# Altium PCB CM_PCB.PcbDoc (part 2 of 7) (continued)
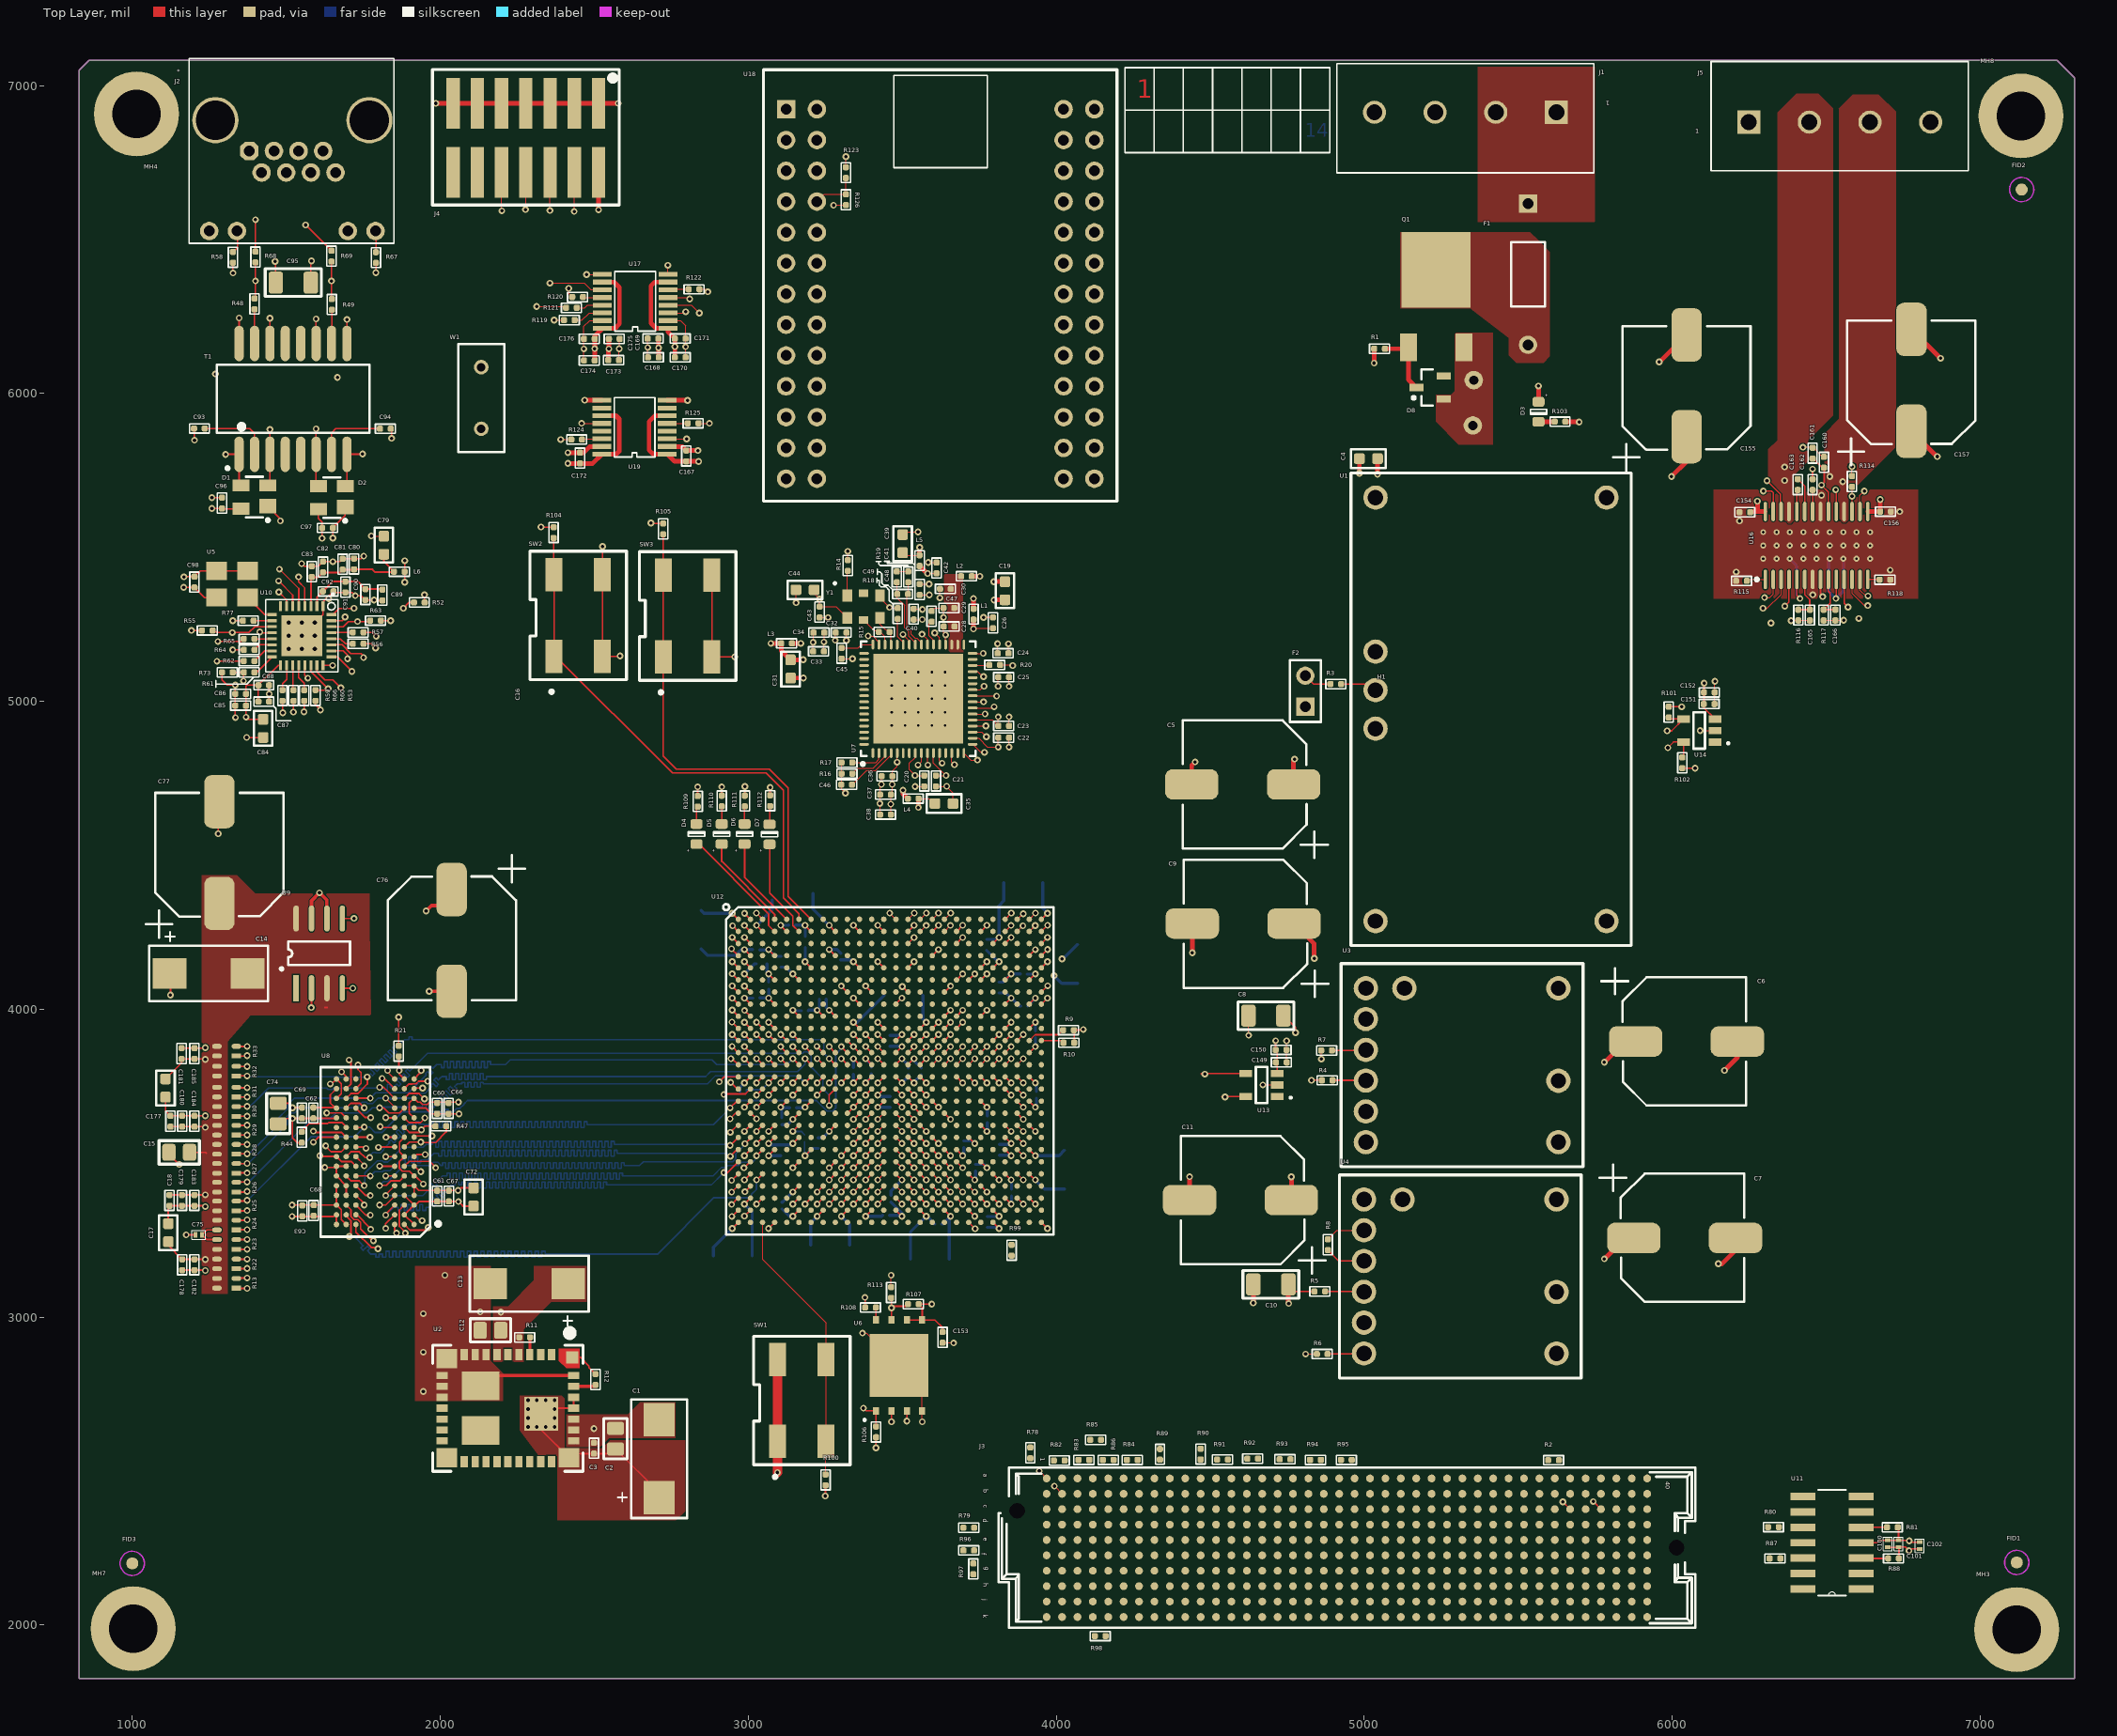
[diagram p0: Top Layer view]
## Nets (pads, with @x,y where several pads share a name; then routed paths per layer and width w, separated by ;. In a path a pad name is that pad's centre, name@x,y a point inside that pad or via, vN(x,y) a via of type N, cw(c..) or ccw(c..) an arc to the next point about the centre after c; other vN are vias at no path point) (continued)
  Top Layer w5: v1(3250,2419) 3251,2418 R100.2@3251,2453.5 ; v1(3415,2575) R106.2@3415,2609.5 ; v1(3515,2662) U6.3@3515,2695.36 ; U6.7@3515,2990.64 U6.8@3565,2990.64 ; v1(3596,3042) R107.2@3553.5,3042 3565,3030.5 U6.8@3565,2990.64 ; C153.2@3631,2951.5 3631,2966 3606.36,2990.64 U6.8@3565,2990.64 ; R10.2@4058.5,3891 4058.5,3931 R9.2@4057.5,3932 4086,3932 v1(4088,3934) ; v1(4712.5,3897.5) C150.2@4712.5,3868 4718.18,3862.32 U13.3@4718.18,3791.4 ; v1@4754,3045 v1(4755,3044) ; C10.2@4754,3106 4777,3083 R5.1@4838.5,3083 ; R101.2@5989,4982.5 6030.5,4982.5 v1(6031,4982) ; R102.2@6033,4782.5 v1(6074.5,4782.5) ; v1(6104,5059) 6103.5,5058.5 6103.5,4978.08 U14.3@6139.18,4942.4 ; U16.5@6405.02,5395.76 6405.02,5343.98 v1(6415,5334) ; C161.2@6456,5790.5 6489,5757.5 6494,5757.5 6494,5711 v1(6485,5702) 6507.39,5679.61 U16.20@6507.39,5616.24 ; U16.8@6481.8,5395.76 6481.8,5347.2 v1(6489,5340) ; v1(6532,5334) 6532.98,5334.98 U16.10@6532.98,5395.76 ; U11.4@6614,2267 6666,2267 6674,2275 C100.2@6700,2275 C101.2@6735,2275 ; R81.2@6732.5,2317 6735,2314.5 C101.2@6735,2275 ; v1(6770,2273) 6768,2275 C101.2@6735,2275 ; v1@6774,2269 C102.2@6804,2269
  Top Layer w10: U2.30@2433.3,2597.79 U2.30@2439.59,2591.5
  Top Layer w11: U9.7@1582,4294.38 1582,4352 v2(1608,4378) 1632,4354 U9.6@1632,4294.38 ; v2(1954,4319) 1971.43,4336.43 2006.28,4336.43 2006.28,4371.28 2023.71,4388.71 C76.1@2037,4388.71
  Top Layer w15: v1(2414.5,5772.5) C172.2@2454,5772.5 2494.7,5772.5 U19.16@2524.7,5802.5 2571.5,5802.5 2581,5812 2581,5917 2570.5,5927.5 U19.11@2524.7,5927.5 ; U2.31@2433.3,2633.22 2437.52,2629 U2.31@2441.52,2633 ; C174.2@2501.5,6107 v1(2501.5,6145.5) C176.2@2501.5,6177 ; C176.2@2501.5,6186.3 U17.16@2526.7,6211.5 2567.5,6211.5 2582,6226 2582,6344 2564.5,6361.5 U17.10@2526.7,6361.5 ; v1(2514,6596) 2514.22,6596.22 J4.B01@2514.22,6717.8 ; C173.2@2545.5,6108 2545.5,6142.5 v1(2547.5,6144.5) C175.2@2547.5,6177 ; v1(3073.5,5188) L3.2@3107,5188 3107,5165 C31.2@3137.5,5134.5 3178,5134.5 v1(3178.5,5135) ; v1(3552.5,4655) 3553,4655.5 L4.2@3553,4684 ; L5.2@3556.5,5474.5 v1(3556.5,5500) ; L2.2@3726,5406 v1(3752.5,5406) ; L1.2@3731.5,5300.5 v1(3731.5,5334) ; v1(3798.5,5329) 3799,5329.5 C19.2@3833.5,5329.5 ; v1@4754,3045 C10.2@4754,3106 ; C11.1@4763.71,3380 v1(4763.71,3455.29)
  Bottom Layer w5: 6404,5390.5 6404,5345 v1(6415,5334)
  Bottom Layer w10: C130.2@2847,4195.01 2867.01,4175 2958,4175 2976.5,4193.5 v1(2987.5,4193.5) C104.2@3013.5,4193.5 ; v1(2987.5,4036.02) C103.2@3015.02,4036.02 ; v1(3026.87,4272.24) 3078.01,4323.37 C107.2@3078.01,4354 ; C129.2@3060.5,4147 3060.5,4120.5 v1(3066.24,4114.76) C127.2@3066.24,4087.76 ; C144.2@3107,4136.5 3123.24,4136.5 v1(3144.98,4114.76) ; C138.2@3109,3625 3127.67,3625 v1(3144.98,3642.31) ; v1(3144.98,3996.65) 3146.63,3995 C140.2@3173,3995 ; C105.2@3153,4273 v1@3183.59,4273 ; v1(3184.35,4272.24) 3185,4271.59 C106.2@3185,4235.5 ; C147.2@3203.01,3234 3203.01,3306.64 v1(3223.72,3327.35) ; C146.2@3227,3582.5 3242.65,3582.5 v1(3263.09,3602.94) ; C128.2@3253,4032 3253,4006.74 v1(3263.09,3996.65) ; v1(3263.09,4193.5) 3288.5,4193.5 C143.2@3300,4182 ; v1(3381.2,3327.35) 3433.35,3327.35 C114.2@3436,3330 ; C115.2@3464,3395 3464,3410.15 v1(3499.32,3445.46) ; C117.2@3527.01,3188 3527.01,3276.31 v1(3578.06,3327.35) 3580.65,3327.35 C113.2@3606,3302 ; v1(3696.17,3524.2) 3700,3528.04 C139.2@3700,3550 ; C142.2@3738,3496 3763.74,3496 v1(3774.91,3484.83) ; C125.2@3774,4226.5 3807.91,4226.5 v1(3814.28,4232.87) 3814.28,4336.28 3830.01,4352.01 C148.2@3830.01,4411 ; C116.2@3776,3291.5 3810.76,3291.5 v1(3814.28,3287.98) ; C145.2@3814,4087.5 3826.39,4087.5 v1(3853.65,4114.76) C141.2@3883.24,4114.76 ; C123.2@3907,4010 3932.39,4035.39 v1(3932.39,4036.02) ; v1@3933,3879.15 C124.2@3933,3907 ; v1(4019,4163) 4022.01,4163 C126.2@4069,4209.99 ; C159.2@6509,5378.5 6509,5357 v1(6532,5334) 6557,5359 C158.2@6557,5380.5
  other v2: 2499,2638
3V3_A_PHY: C79.2 C80.2 C81.2 C82.2 C83.2 L6.1 U10.3 | length 442.4
  Top Layer w6: U10.3@1579.97,5309.25 C83.2@1579.97,5400.47 ; C83.2@1583,5403.5 1604,5403.5 C82.2@1619,5418.5 1674,5418.5 C81.2@1683,5427.5 1719,5427.5 C80.2@1720,5428.5 1780,5428.5 1789,5419.5 1848,5419.5 L6.1@1849.5,5421 1817,5453.5 C79.2@1817,5477.5
12V0: C5.1 C6.1 C7.1 F2.1 J3.c35 J3.c37 U1.5 U1.6 U3.2 U3.9 U4.2 | length 405.2
  Top Layer w5: v1(5645,2400) J3.c35@5669,2376 ; v1(5744,2401) J3.c37@5769,2376
  Top Layer w15: C5.1@4770.71,4730 4770.71,4808.71 v1(4774,4812) ; v1(5780,3189) 5848,3257 C7.1@5875.29,3257 ; v1(5780,3828) 5781,3828 5848,3895 C6.1@5881.29,3895
24V0: C4.2 C154.2 C155.1 C156.2 C157.1 C162.2 D3.A D8.3 pad.2 pad.3 Q1.S U1.2 U16.15 U16.28 | length 562.7
  Top Layer w5: C162.2@6456,5721.5 v1(6456,5754)
  Top Layer w15: v1(5043.5,5737.5) C4.2@5043.5,5788 ; D3.A@5566,5972.48 v1(5566,6024) ; v1(5998,5730) 6047,5779 C155.1@6047,5859.29 ; C154.2@6255.74,5616.24 6278,5616.24 ; v1(6277,5650) 6278,5649 6278,5616.24 ; U16.28@6302.66,5616.24 6278,5616.24 ; U16.15@6635.34,5616.24 C156.2@6675.26,5616.24 ; C156.2@6675.5,5616 v1(6675.5,5655.5) ; C157.1@6777,5877.29 6859.29,5795 v1(6861,5795)
\DDR_CAS: R22.2 U8.K3 U12.P8 | length 2545.1
  Top Layer w4: v1(3223.72,3760.42) U12.P8@3243.41,3780.11
  Top Layer w5.5: v2@1831,3584.24 U8.K3@1851.99,3584.24
  Top Layer w6: R22.2@1341.5,3188 v2(1373,3188)
  DIFF_SE1 w6: v2(1373,3188) 1408,3188 1632.46,3412.46 1632.46,3468 1730.46,3566 1786.9,3566 1804.9,3584 v2(1824,3584) 1883,3584 1916.36,3550.64 1951.64,3550.64 1967,3566 1996,3566 2002,3566 2002,3575.9 2014,3575.9 2014,3566 2014,3556.1 2026,3556.1 2026,3566 2026,3575.9 2038,3575.9 2038,3566 2038,3556.1 2050,3556.1 2050,3566 2050,3575.9 2062,3575.9 2062,3566 2062,3556.1 2074,3556.1 2074,3566 2074,3575.9 2086,3575.9 2086,3566 2086,3556.1 2098,3556.1 2098,3566 2098,3575.9 2110,3575.9 2110,3566 2110,3556.1 2122,3556.1 2122,3566 2122,3575.9 2134,3575.9 2134,3566 2134,3556.1 2146,3556.1 2146,3566 2146,3575.9 2158,3575.9 2158,3566 2158,3556.1 2170,3556.1 2170,3566 2170,3575.9 2182,3575.9 2182,3566 2182,3556.1 2194,3556.1 2194,3566 2243,3566 2775,3566 2911,3702 3165.3,3702 v1(3223.72,3760.42)
\DDR_RAS: R22.1 U8.J3 U12.N8 | length 2615.9
  Top Layer w4: v1(3223.72,3839.17) U12.N8@3243.41,3819.48
  Top Layer w5.5: v2@1801,3552.75 U8.J3@1851.99,3552.75
  Top Layer w6: R22.1@1341,3157 v2@1365,3157 ; v2@1366,3158 v2@1365,3157 ; v2@1373,3157 v2@1365,3157
  DIFF_SE1 w6: v2(1373,3158) 1405,3158 1702,3455 1740,3455 1757.5,3472.5 ; 1757,3473 1760.46,3473 1771,3483.54 1771,3487 1795,3511 1795,3549 1793,3551 v2(1799,3551) 1884,3551 1926,3509 2796.75,3509 2911.75,3624 3230,3624 3281.09,3675.09 3281.09,3767.88 3281,3767.97 3281,3831.62 3281.09,3831.71 3281.09,3846.62 3281,3846.72 3281,3870.99 3281.09,3871.08 3281.09,3887.91 3267,3902 3259.56,3902 3241.22,3883.67 3241.22,3865.22 3223.72,3847.72 v1(3223.72,3839.17)
\DDR_RESET: R21.1 U8.T2 U12.L4 | length 1348.4
  Top Layer w4: v1(3066.24,3917.91) U12.L4@3085.93,3898.22
  Top Layer w5.5: v2@1867,3793 1867,3789.71 U8.T2@1883.49,3773.22
  Top Layer w6: R21.1@1865,3846.5 1865,3803 v2(1867,3801)
  DIFF_SE1 w6: v2(1867,3801) 1963,3897 3034,3897 3054.91,3917.91 v1(3066.24,3917.91)
\DDR_WE: R24.2 U8.L3 U12.P5 | length 2545.1
  Top Layer w4: v1(3105.61,3760.42) U12.P5@3125.3,3780.11
  Top Layer w5.5: v2@1801,3615.74 U8.L3@1851.99,3615.74
  Top Layer w6: R24.2@1342,3314.5 v2@1365,3314.5 ; v2@1366.5,3316 v2@1365,3314.5 ; v2@1379.5,3314.5 v2@1365,3314.5
  DIFF_SE1 w6: v2@1365,3316 v2@1368,3319 ; v2@1374.27,3314.73 1601.54,3542 1616.46,3542 1622.21,3536.25 1635.35,3536.25 1645.75,3546.65 1645.75,3547.75 1734,3636 1759.9,3636 1776.9,3619 v2(1805,3619) 1886.1,3619 1967.75,3700.65 1967.75,3712.75 1993,3738 1997.24,3742.24 1993.28,3746.2 2001.77,3754.69 2005.73,3750.73 2019,3764 2048,3793 2054,3793 2066,3793 2066,3783 2078,3783 2078,3793 2078,3800.18 2090,3800.18 2090,3793 2090,3783 2102,3783 2102,3793 2102,3800.18 2114,3800.18 2114,3793 2114,3783 2126,3783 2126,3793 2126,3800.18 2138,3800.18 2138,3793 2138,3783 2150,3783 2150,3793 2150,3800.18 2162,3800.18 2162,3793 2162,3783 2174,3783 2174,3793 2174,3800.18 2186,3800.18 2186,3793 2186,3783 2198,3783 2198,3793 2198,3800.18 2210,3800.18 2210,3793 2210,3783 2222,3783 2222,3793 2222,3800.18 2234,3800.18 2234,3793 2234,3783 2246,3783 2246,3793 2246,3803 2258,3803 2258,3793 2258,3783 2270,3783 2270,3793 2270,3803 2282,3803 2282,3793 2282,3783 2294,3783 2294,3793 2294,3803 2306,3803 2306,3793 2306,3783 2318,3783 2318,3793 2318,3803 2330,3803 2330,3793 2330,3783 2342,3783 2342,3793 2342,3803 2354,3803 2354,3793 2452,3793 3075,3793 3105.61,3762.39 v1(3105.61,3760.42)
  other v2: 1373,3316
AOUT1: J5.1 U16.4 | length 92.3
  Top Layer w5: v1(6366,5309) 6379.43,5322.43 U16.4@6379.43,5395.76
  other v1: 6321,5254
AOUT2: J5.2 U16.25
  other v1: 6365,5717 6365,5761
BOUT1: J5.4 U16.11 | length 94.9
  Top Layer w5: U16.11@6558.57,5395.76 6558.57,5318.43 v1(6571,5306)
  other v1: 6606,5269
BOUT2: J5.3 U16.18
  other v1: 6554,5713 6512,5730
CDCE_CLK_100M_N: U7.10 U12.A15 | length 723.5
  Top Layer w3: U12.A15@3519,4291.92 v1(3539.08,4312) ; U7.10@3582.03,4831.82 3582.03,4794.47 v1(3583.5,4793)
  DIFF_SE1 w3: v1@3539.08,4321.69 v1(3539.08,4312) 3517,4312 3516,4313 3509.8,4319.2 3537.97,4347.37 3532.31,4353.03 3504.14,4324.86 3503.08,4323.8 3497.42,4329.45 3498.49,4330.51 3492.83,4336.17 3490,4339 3490,4462.69 3596,4568.69 3596,4760 3583.5,4772.5 v1(3583.5,4793)
CDCE_CLK_100M_P: U7.9 U12.C15 | length 715.1
  Top Layer w3: v1(3551.5,4793) 3562.34,4803.84 U7.9@3562.34,4831.82
  Top Layer w5: U12.C15@3519,4213.18 v1(3538.69,4232.87)
  DIFF_SE1 w3: v1@3537.82,4232 v1(3538.69,4232.87) 3482,4289.55 3482,4466 3588,4572 3588,4756.69 3587.34,4757.34 3587.16,4757.34 v1(3551.5,4793)
CDCE_PLL_LOCK: U7.37 U12.A14 | length 1176.6
  Top Layer w3: v1(3459.55,4312) U12.A14@3479.63,4291.92 ; v1(3605.5,5222) 3621.4,5206.1 U7.37@3621.4,5184.18
  DIFF_SE1 w3: v1(3459.55,4312) 3347,4424.55 3347,4834 3430,4917 3430,5115 3494,5179 3562.5,5179 v1(3605.5,5222)
CDCE_PWRDN: U7.12 U12.B16 | length 1123.1
  Top Layer w3: U12.B16@3558.37,4252.55 v1(3577.82,4272) ; U7.12@3621.4,4831.82 3621.4,4807.1 v1(3629.5,4799)
  DIFF_SE1 w3: v1(3577.82,4272) 3559,4290.82 3559,4326 3559,4330 3550.23,4330 3550.23,4338 3559,4338 3561.38,4338 3561.38,4346 3559,4346 3550.23,4346 3550.23,4354 3559,4354 3561.38,4354 3561.38,4362 3559,4362 3550.23,4362 3550.23,4370 3559,4370 3561.38,4370 3561.38,4378 3559,4378 3550.23,4378 3550.23,4386 3559,4386 3561.38,4386 3561.38,4394 3559,4394 3550.23,4394 3550.23,4402 3559,4402 3561.38,4402 3561.38,4410 3559,4410 3550.23,4410 3550.23,4418 3559,4418 3561.38,4418 3561.38,4426 3559,4426 3550.23,4426 3550.23,4434 3559,4434 3561.38,4434 3561.38,4442 3559,4442 3550.23,4442 3550.23,4450 3559,4450 3561.38,4450 3561.38,4458 3559,4458 3550.23,4458 3550.23,4466 3559,4466 3561.38,4466 3561.38,4474 3559,4474 3550.23,4474 3550.23,4482 3559,4482 3559,4490 3559,4495 3561.83,4497.83 3567.49,4503.49 3573.68,4497.29 3579.34,4502.94 3573.14,4509.14 3566.94,4515.34 3572.6,4521 3578.8,4514.8 3580.48,4513.12 3586.14,4518.77 3584.46,4520.46 3578.26,4526.65 3583.91,4532.31 3590.11,4526.11 3591.8,4524.43 3597.45,4530.09 3595.77,4531.77 3589.57,4537.97 3595.23,4543.63 3601.43,4537.43 3603.11,4535.74 3608.77,4541.4 3607.08,4543.08 3600.88,4549.28 3606.54,4554.94 3612.74,4548.74 3618.4,4554.4 3619,4555 3619,4559 3619,4567 3627.77,4567 3627.77,4575 3619,4575 3610.23,4575 3610.23,4583 3619,4583 3627.77,4583 3627.77,4591 3619,4591 3610.23,4591 3610.23,4599 3619,4599 3627.77,4599 3627.77,4607 3619,4607 3610.23,4607 3610.23,4615 3619,4615 3627.77,4615 3627.77,4623 3619,4623 3610.23,4623 3610.23,4631 3619,4631 3627.77,4631 3627.77,4639 3619,4639 3610.23,4639 3610.23,4647 3619,4647 3619,4681 3619,4788.5 v1(3629.5,4799)
CDCE_SPI_CLK: U7.24 U12.A18 | length 1123.1
  Top Layer w3: U12.A18@3637.11,4291.92 v1(3657.19,4312) ; U7.24@3728.68,4998.16 v1(3764.34,4998.16)
  DIFF_SE1 w3: v1(3657.19,4312) 3657.19,4339 3657.19,4343 3650.57,4343 3650.57,4351 3657.19,4351 3664.43,4351 3664.43,4359 3657.19,4359 3650.57,4359 3650.57,4367 3657.19,4367 3664.43,4367 3664.43,4375 3657.19,4375 3650.57,4375 3650.57,4383 3657.19,4383 3664.43,4383 3664.43,4391 3657.19,4391 3650.57,4391 3650.57,4399 3657.19,4399 3664.43,4399 3664.43,4407 3657.19,4407 3650.57,4407 3650.57,4415 3657.19,4415 3657.19,4438 3657.19,4484.19 3761,4588 3817,4588 3856,4627 3856,4784 3891,4819 3891,4985 3877.5,4998.5 3764.68,4998.5 v1(3764.34,4998.16)
CDCE_SPI_LE: U7.25 U12.C19 | length 1123.5
  Top Layer w3: U7.25@3728.68,5017.84 3729.52,5017 v1(3806.5,5017)
  Top Layer w4: U12.C19@3676.48,4213.18 v1(3696.17,4232.87)
  DIFF_SE1 w3: v1(3696.17,4232.87) 3677,4252.03 3677,4476 3766,4565 3815,4565 3872,4622 3872,4776 3918,4822 3918,4992 3893,5017 v1(3806.5,5017)
CDCE_SPI_MISO: U7.22 U12.A17 | length 1123.1
  Top Layer w3: U12.A17@3597.74,4291.92 v1(3617.82,4312) ; U7.22@3728.68,4958.79 v1(3769.29,4958.79)
  DIFF_SE1 w3: v1(3617.82,4312) 3617.82,4344 3617.82,4348 3601.75,4348 3601.75,4356 3617.82,4356 3619.32,4356 3619.32,4364 3617.82,4364 3601.75,4364 3601.75,4372 3617.82,4372 3619.32,4372 3619.32,4380 3617.82,4380 3601.75,4380 3601.75,4388 3617.82,4388 3619.32,4388 3619.32,4396 3617.82,4396 3601.75,4396 3601.75,4404 3617.82,4404 3619.32,4404 3619.32,4412 3617.82,4412 3601.75,4412 3601.75,4420 3617.82,4420 3627.25,4420 3627.25,4428 3617.82,4428 3601.75,4428 3601.75,4436 3617.82,4436 3627.25,4436 3627.25,4444 3617.82,4444 3601.75,4444 3601.75,4452 3617.82,4452 3627.25,4452 3627.25,4460 3617.82,4460 3601.75,4460 3601.75,4468 3617.82,4468 3627.25,4468 3627.25,4476 3617.82,4476 3617.82,4484 3617.82,4489.82 3664,4536 3664,4684 3724.79,4744.79 3724.79,4914.29 v1(3769.29,4958.79)
CDCE_SPI_MOSI: U7.23 U12.B18 | length 1128.1
  Top Layer w3: U12.B18@3637.11,4252.55 v1(3656.56,4272) ; U7.23@3728.68,4978.47 3801.97,4978.47 v1(3798.44,4982)
  DIFF_SE1 w3: v1(3656.56,4272) 3638,4290.56 3638,4335 3638,4339 3628.37,4339 3628.37,4347 3638,4347 3640.02,4347 3640.02,4355 3638,4355 3628.37,4355 3628.37,4363 3638,4363 3640.02,4363 3640.02,4371 3638,4371 3628.37,4371 3628.37,4379 3638,4379 3640.02,4379 3640.02,4387 3638,4387 3628.37,4387 3628.37,4395 3638,4395 3640.02,4395 3640.02,4403 3638,4403 3628.37,4403 3628.37,4411 3638,4411 3640.02,4411 3640.02,4419 3638,4419 3638,4439 3638,4485 3756,4603 3802,4603 3833,4634 3833,4786 3875,4828 3875,4959 3852,4982 v1(3798.44,4982)
CDCE_SYNC: U7.14 U12.A16 | length 1123.1
  Top Layer w3: U12.A16@3558.37,4291.92 v1(3578.45,4312) ; U7.14@3660.77,4831.82 3660.77,4802.73 v1(3669.5,4794)
  DIFF_SE1 w3: v1(3578.45,4312) 3591,4324.55 3591,4333 3591,4337 3569.61,4337 3569.61,4345 3591,4345 3592.5,4345 3592.5,4353 3591,4353 3569.61,4353 3569.61,4361 3591,4361 3592.5,4361 3592.5,4369 3591,4369 3569.61,4369 3569.61,4377 3591,4377 3592.5,4377 3592.5,4385 3591,4385 3569.61,4385 3569.61,4393 3591,4393 3592.5,4393 3592.5,4401 3591,4401 3569.61,4401 3569.61,4409 3591,4409 3592.5,4409 3592.5,4417 3591,4417 3569.61,4417 3569.61,4425 3591,4425 3592.5,4425 3592.5,4433 3591,4433 3569.61,4433 3569.61,4441 3591,4441 3592.5,4441 3592.5,4449 3591,4449 3569.61,4449 3569.61,4457 3591,4457 3592.5,4457 3592.5,4465 3591,4465 3569.61,4465 3569.61,4473 3591,4473 3593.24,4473 3593.24,4481 3591,4481 3591,4489 3591,4495 3593.83,4497.83 3599.49,4503.49 3590.99,4511.98 3596.65,4517.64 3605.14,4509.14 3613.64,4500.65 3619.29,4506.3 3610.8,4514.8 3602.3,4523.29 3607.96,4528.95 3616.46,4520.46 3624.95,4511.96 3630.61,4517.62 3622.11,4526.11 3613.62,4534.61 3619.27,4540.27 3627.77,4531.77 3644,4548 3644,4685 3669.5,4710.5 v1(3669.5,4794)
CONN_ETH_VCOM_TERM: C95.2 R48.1 R49.1 R68.1 R69.1 | length 606.4
  Top Layer w4: R48.1@1399.94,6311.3 v1(1399.94,6365) R68.1@1399.94,6425.3 ; v1(1464,6429) 1465.94,6427.06 C95.2@1465.94,6359.8 ; R69.1@1646.94,6428.3 1646.94,6307.3 R49.1@1647.94,6306.3
  DIFF_SE2 w3: v1@1400,6365 v1(1464,6429) 1559.67,6429 1575.17,6413.5 1598.5,6413.5 v1(1647,6365)
DDR_A0: R27.2 U8.N3 U12.N7 | length 2403.5
  Top Layer w4: v1(3184.35,3839.17) U12.N7@3204.04,3819.48
  Top Layer w5: R27.2@1341,3498.5 v2@1364.5,3498.5 ; v2@1365,3499 v2@1364.5,3498.5 ; v2@1376.5,3498.5 v2@1364.5,3498.5 ; v2(1823,3711) 1851.99,3682.01 U8.N3@1851.99,3678.73
  Bottom Layer w5: v2@1377,3499 1502.5,3624.5 1502.5,3652.25 1512.75,3662.5 1527.25,3662.5 1544.75,3680 1623.25,3680 1623.75,3680.5 1638.25,3680.5 1638.75,3680 1728.25,3680 1745.75,3697.5 1760.25,3697.5 1764.25,3693.5 1780.25,3693.5 1797.75,3711 v2(1823,3711) 1828,3711 1838,3711 1838,3706.98 1848,3706.98 1848,3711 1914.25,3711 1929.75,3726.5 1950.25,3726.5 1968.87,3745.13 1972.41,3748.66 1969.41,3751.66 1976.48,3758.73 1979.48,3755.73 1986.55,3748.66 1993.62,3755.73 1986.55,3762.8 1979.48,3769.87 1986.55,3776.95 1993.62,3769.87 2000.69,3776.95 2004.75,3781 2009.75,3781 2019.75,3781 2019.75,3771 2029.75,3771 2029.75,3781 2029.75,3791 2039.75,3791 2039.75,3781 2039.75,3771 2049.75,3771 2049.75,3781 2049.75,3791 2059.75,3791 2059.75,3781 2059.75,3771 2069.75,3771 2069.75,3781 2069.75,3791 2079.75,3791 2079.75,3781 2079.75,3771 2089.75,3771 2089.75,3781 2089.75,3791 2099.75,3791 2099.75,3781 2099.75,3771 2109.75,3771 2109.75,3781 2109.75,3791 2119.75,3791 2119.75,3781 2119.75,3771 2129.75,3771 2129.75,3781 2129.75,3791 2139.75,3791 2139.75,3781 2139.75,3771 2149.75,3771 2149.75,3781 2428,3781 2862,3781 2878,3797 3160,3797 3184.35,3821.35 v1(3184.35,3839.17)
  other v2: 1373,3499
DDR_A1: R28.1 U8.P7 U12.N6 | length 2408.4
  Top Layer w4: v1(3144.98,3839.17) U12.N6@3164.67,3819.48
  Top Layer w5: R28.1@1342,3530 v2(1373,3530) v2@1377,3530
  Top Layer w5.5: U8.P7@1726.01,3710.23 1726.78,3711 v2(1773,3711)
  Bottom Layer w5: v2@1364.5,3530 v2@1367.5,3530 ; v2@1380,3530 1472.62,3622.62 1472.62,3644.62 1502.5,3674.5 1502.5,3687.25 1526.25,3711 v2(1773,3711) 1790.5,3728.5 1896.75,3728.5 1951.63,3783.37 1955.16,3786.91 1951.81,3790.26 1958.88,3797.33 1962.23,3793.98 1969.3,3786.91 1976.37,3793.98 1969.3,3801.05 1962.23,3808.12 1969.3,3815.19 1976.37,3808.12 1983.45,3815.19 1988.25,3820 1993.25,3820 2003.25,3820 2003.25,3810 2013.25,3810 2013.25,3820 2013.25,3830 2023.25,3830 2023.25,3820 2023.25,3810 2033.25,3810 2033.25,3820 2033.25,3830 2043.25,3830 2043.25,3820 2043.25,3810 2053.25,3810 2053.25,3820 2053.25,3830 2063.25,3830 2063.25,3820 2063.25,3810 2073.25,3810 2073.25,3820 2073.25,3830 2083.25,3830 2083.25,3820 2083.25,3810 2093.25,3810 2093.25,3820 2093.25,3830 2103.25,3830 2103.25,3820 2103.25,3810 2113.25,3810 2113.25,3820 2113.25,3830 2123.25,3830 2123.25,3820 2123.25,3810 2133.25,3810 2133.25,3820 2133.25,3830 2143.25,3830 2143.25,3820 2143.25,3810 2153.25,3810 2153.25,3820 2153.25,3830 2163.25,3830 2163.25,3820 2212,3820 2227,3835 2882.36,3835 2897.36,3820 3125.82,3820 v1(3144.98,3839.17)
DDR_A2: R30.2 U8.P3 U12.R9 | length 2403.5
  Top Layer w4: v1(3263,3687) 3263,3720.96 U12.R9@3282.78,3740.74
  Top Layer w5: R30.2@1342.5,3684 v2(1373,3684) v2@1378,3684
  Top Layer w5.5: v2(1803,3746) 1816.22,3746 U8.P3@1851.99,3710.23
  Bottom Layer w5: v2@1364.5,3683 v2@1365.5,3683 ; v2@1364.5,3684 v2@1365.5,3683 ; v2@1366.5,3683 v2@1365.5,3683 ; v2@1381,3683 1442,3744 1631.25,3744 1635.75,3739.5 1650.25,3739.5 1654.75,3744 1801,3744 v2(1803,3746) 1808,3746 1818,3746 1818,3737.86 1828,3737.86 1828,3746 1828,3755.64 1838,3755.64 1838,3746 1848,3746 1851.54,3749.54 1858.61,3756.61 1865.42,3749.79 1872.5,3756.86 1865.68,3763.68 1858.86,3770.5 1865.93,3777.57 1872.75,3770.75 1879.57,3763.93 1886.64,3771 1879.82,3777.82 1874.45,3783.19 1881.52,3790.26 1886.89,3784.89 1893.71,3778.07 1900.78,3785.14 1893.96,3791.96 1887.14,3798.78 1894.22,3805.85 1901.03,3799.03 1952,3850 1958.67,3856.67 3177.1,3856.67 3181.47,3861.04 3191.6,3861.04 3204,3848.64 3204,3812 3243,3773 3243,3741.15 3263,3721.15 v1(3263,3687)
DDR_A3: R26.2 U8.N2 U12.P7 | length 2405.5
  Top Layer w4: v1(3184.35,3760.42) U12.P7@3204.04,3780.11
  Top Layer w5: R26.2@1343.5,3439 v2(1373,3439) v2@1378,3439 ; v2(1803,3680) 1815.75,3680 1832.75,3663 1867.76,3663 U8.N2@1883.49,3678.73
  Bottom Layer w5: v2@1378,3439 1582,3643 1641,3643 1661,3663 1745.25,3663 1745.75,3662.5 1761.5,3662.5 1779,3680 v2(1803,3680) ; v2@1803,3682 1938,3682 1943,3682 1943,3691.5 1953,3691.5 1953,3682 1953,3676.25 1963,3676.25 1963,3682 1973,3682 1980,3682 1983.54,3685.54 1990.61,3692.61 1983.54,3699.68 1990.61,3706.75 1997.68,3699.68 2004.75,3692.61 2011.82,3699.68 2004.75,3706.75 1997.68,3713.82 2004.75,3720.89 2011.82,3713.82 2018.89,3706.75 2025.96,3713.82 2018.89,3720.89 2011.82,3727.96 2018.89,3735.03 2025.96,3727.96 2033.03,3720.89 2040.1,3727.96 2033.03,3735.03 2025.96,3742.1 2033.03,3749.18 2040.1,3742.1 2047.18,3735.03 2054.25,3742.1 2047.18,3749.18 2054.25,3756.25 2055,3757 2060,3757 2070,3757 2070,3762 2080,3762 2080,3757 2080,3747 2090,3747 2090,3757 2090,3762 2100,3762 2100,3757 2100,3747 2110,3747 2110,3757 2110,3762 2120,3762 2120,3757 2120,3747 2130,3747 2130,3757 2130,3762 2140,3762 2140,3757 2198,3757 2867,3757 2894,3784 3160.78,3784 v1(3184.35,3760.42)
DDR_A4: R32.1 U8.P8 U12.N9 | length 2403.5
  Top Layer w4: v1(3263.09,3839.17) U12.N9@3282.78,3819.48
  Top Layer w5: R32.1@1339,3783 v2(1373,3783)
  Top Layer w5.5: U8.P8@1694.51,3710.23 1710.12,3725.84 1732.19,3725.84 1763,3756.64 v2(1763,3780)
  Bottom Layer w5: v2@1364.5,3783 v2@1367.5,3780 ; v2@1376,3780 1671.23,3780 1672.24,3778.99 1761.99,3778.99 v2(1763,3780) 1766.54,3783.54 1773.61,3790.61 1780.19,3784.02 1787.27,3791.09 1780.68,3797.68 1774.09,3804.27 1781.16,3811.34 1787.75,3804.75 1794.34,3798.16 1801.41,3805.23 1794.82,3811.82 1788.23,3818.41 1795.3,3825.48 1801.89,3818.89 1808.48,3812.3 1815.55,3819.37 1808.96,3825.96 1802.37,3832.55 1809.44,3839.62 1816.03,3833.03 1822.62,3826.44 1829.69,3833.52 1823.1,3840.1 1816.52,3846.69 1823.59,3853.76 1830.18,3847.18 1836.76,3840.59 1843.83,3847.66 1837.25,3854.25 1830.66,3860.83 1837.73,3867.91 1844.32,3861.32 1850.91,3854.73 1857.98,3861.8 1851.39,3868.39 1844.8,3874.98 1851.87,3882.05 1858.46,3875.46 1883.41,3900.41 1888.41,3900.41 1898.41,3900.41 1898.41,3909.72 1908.41,3909.72 1908.41,3900.41 1940,3900.41 3237.59,3900.41 3245.59,3892.41 3245.59,3856.67 v1(3263.09,3839.17)
DDR_A5: R29.2 U8.P2 U12.R2 | length 2417.7
  Top Layer w5: R29.2@1342,3622.5 v2@1364.5,3622.5 ; v2@1365,3623 v2@1364.5,3622.5 ; v2@1377.5,3622.5 v2@1364.5,3622.5
  Top Layer w5.5: U8.P2@1883.49,3710.23 1899.1,3725.84 1931.16,3725.84 v2@1946,3711 ; v2(2921,3723) 2921,3724 2919.87,3725.13 2991.58,3725.13 U12.R2@3007.19,3740.74
  HS2 w5: v2@1364.5,3623 v2@1365.5,3624 ; v2@1379,3624 1399,3624 1437.5,3662.5 1532.5,3662.5 1549.75,3645.25 1745.15,3645.25 1765.65,3665.75 1792.15,3665.75 1795.65,3662.25 1812.15,3662.25 1815.65,3665.75 1905.75,3665.75 v2(1949,3709) 1951,3709 1957.5,3715.5 1978,3715.5 1983,3715.5 1983,3725.41 1993,3725.41 1993,3715.5 1993,3705.59 2003,3705.59 2003,3715.5 2003,3725.41 2013,3725.41 2013,3715.5 2013,3705.59 2023,3705.59 2023,3715.5 2023,3725.41 2033,3725.41 2033,3715.5 2033,3705.59 2043,3705.59 2043,3715.5 2043,3725.41 2053,3725.41 2053,3715.5 2063,3715.5 2063,3725.41 2073,3725.41 2073,3715.5 2073,3708.59 2083,3708.59 2083,3715.5 2083,3725.41 2093,3725.41 2093,3715.5 2093,3705.59 2103,3705.59 2103,3715.5 2103,3725.41 2113,3725.41 2113,3715.5 2113,3705.59 2123,3705.59 2123,3715.5 2123,3725.41 2133,3725.41 2133,3715.5 2133,3705.59 2143,3705.59 2143,3715.5 2143,3725.41 2153,3725.41 2153,3715.5 2153,3705.59 2163,3705.59 2163,3715.5 2163,3725.41 2173,3725.41 2173,3715.5 2173,3705.59 2183,3705.59 2183,3715.5 2183,3725.41 2193,3725.41 2193,3715.5 2193,3705.59 2203,3705.59 2203,3715.5 2203,3725.41 2213,3725.41 2213,3715.5 2213,3705.59 2223,3705.59 2223,3715.5 2223,3725.41 2233,3725.41 2233,3715.5 2233,3705.59 2243,3705.59 2243,3715.5 2243,3725.41 2253,3725.41 2253,3715.5 2253,3705.59 2263,3705.59 2263,3715.5 2263,3725.41 2273,3725.41 2273,3715.5 2273,3705.59 2283,3705.59 2283,3715.5 2283,3725.41 2293,3725.41 2293,3715.5 2293,3705.59 2303,3705.59 2303,3715.5 2342,3715.5 2892.5,3715.5 2900,3723 v2(2921,3723)
  other v2: 1373,3623